# Altium PCB DIOT_8ch_isoSPI1.PcbDoc (part 1 of 5)
Units mm, origin at the board's own origin, x right, y up, seen from the top; angles counter-clockwise.
Board outline 222.37 x 100 mm, 4 copper layers (L1, P2, P3, L4), stack 1.512 mm thick; 416 components, 332 nets, 1541 pads, 695 vias.
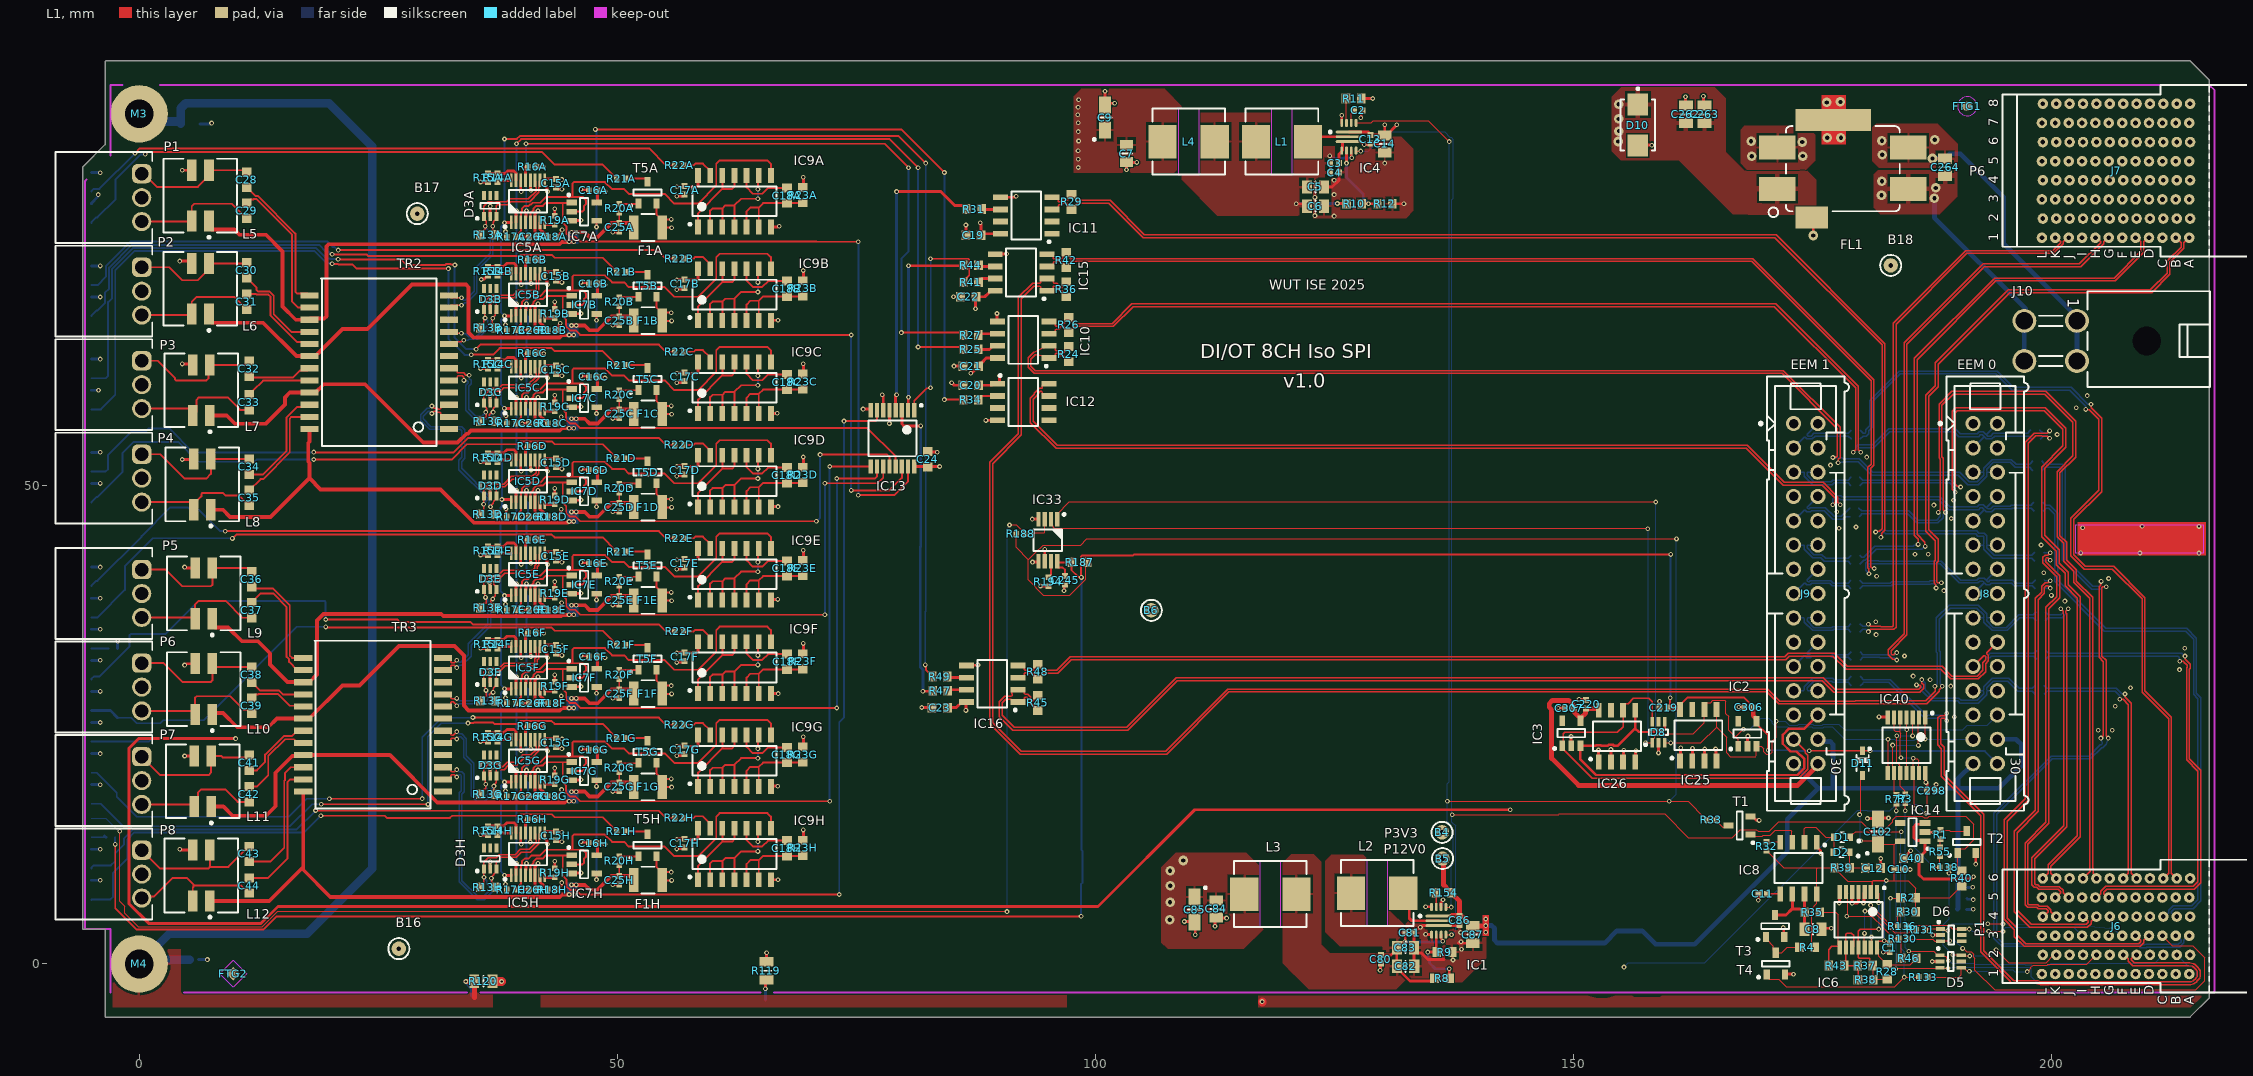
[diagram p0: L1 view]
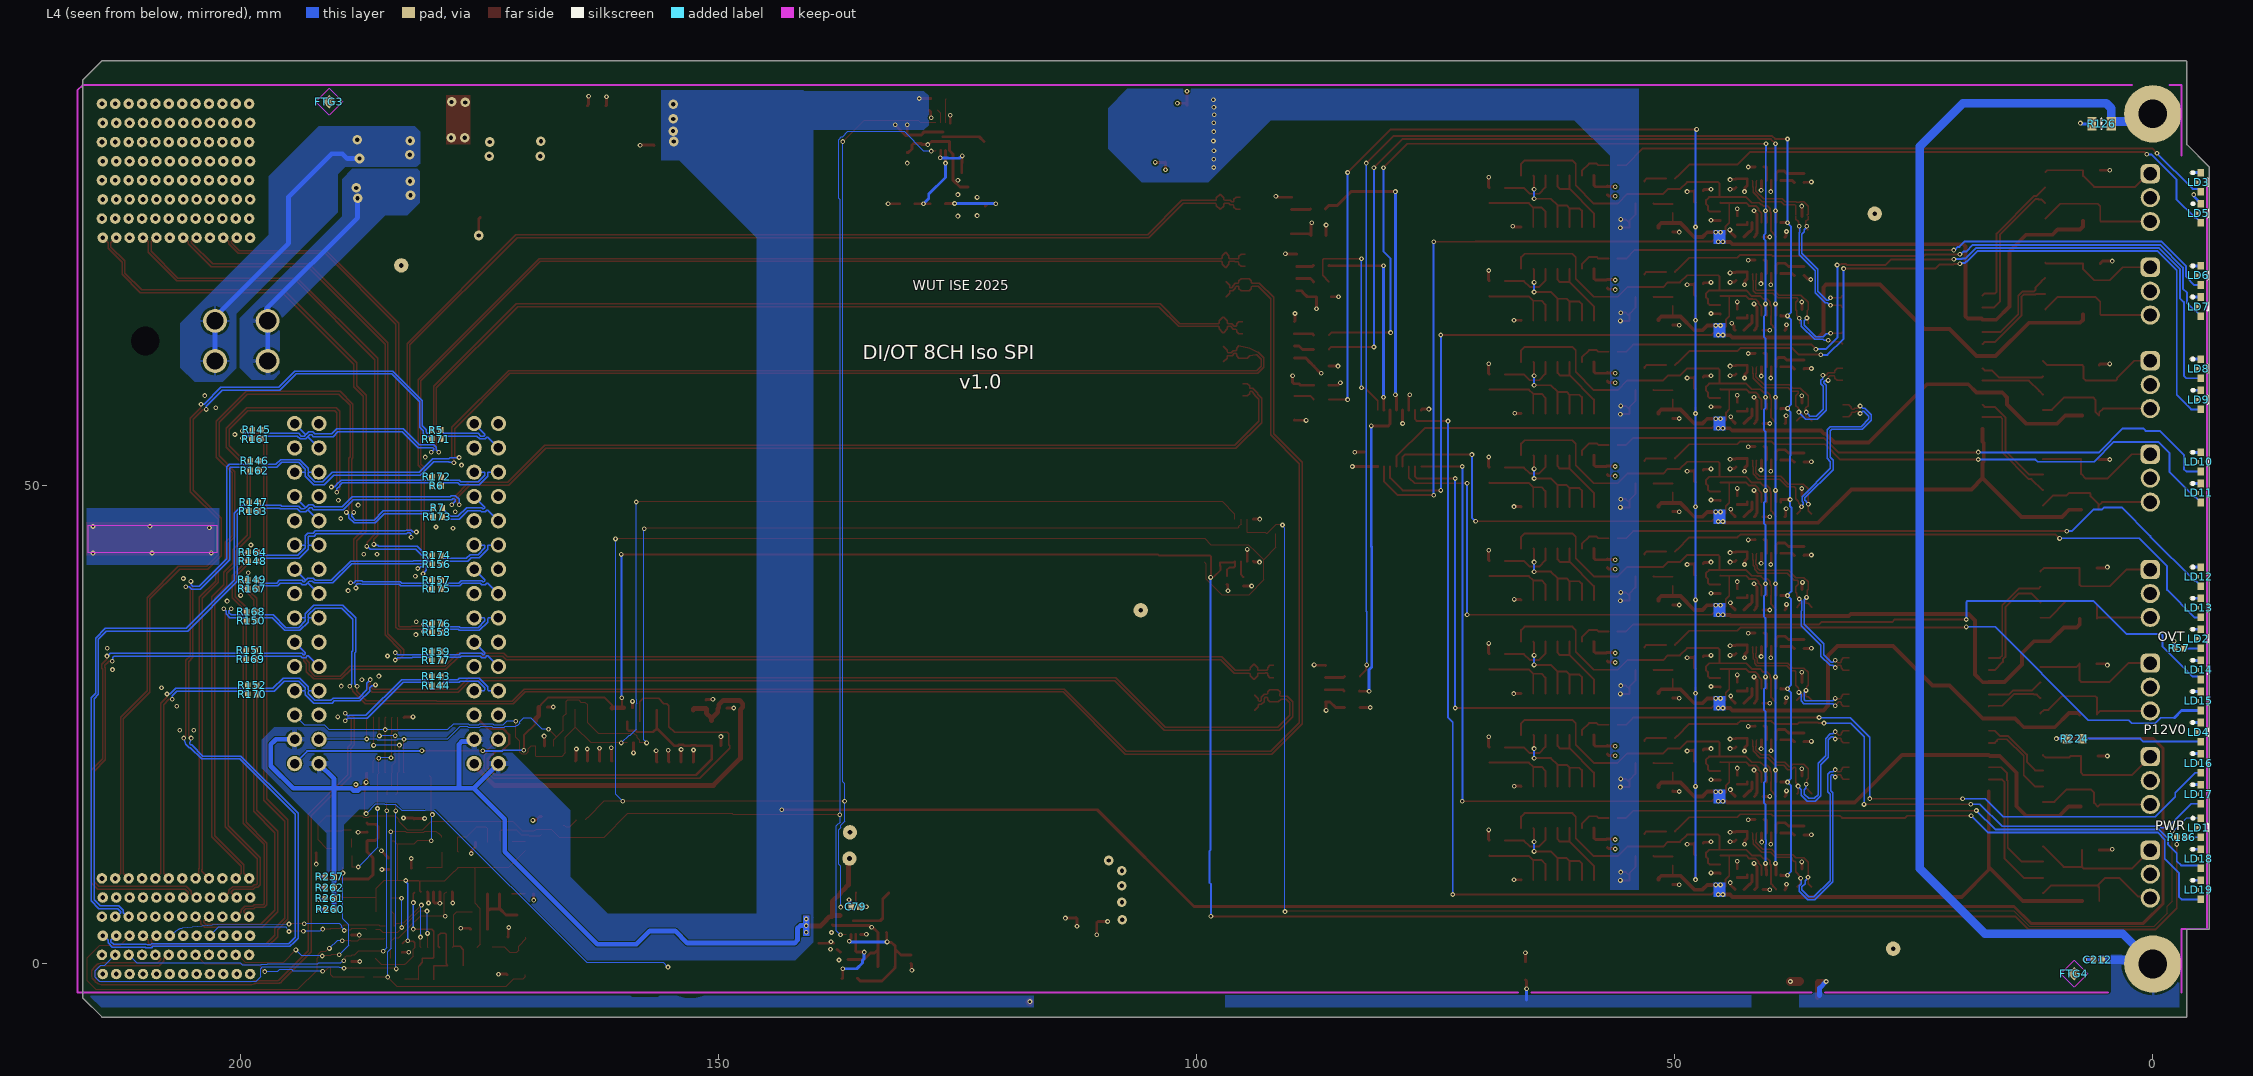
[diagram p1: L4 view, seen from below]
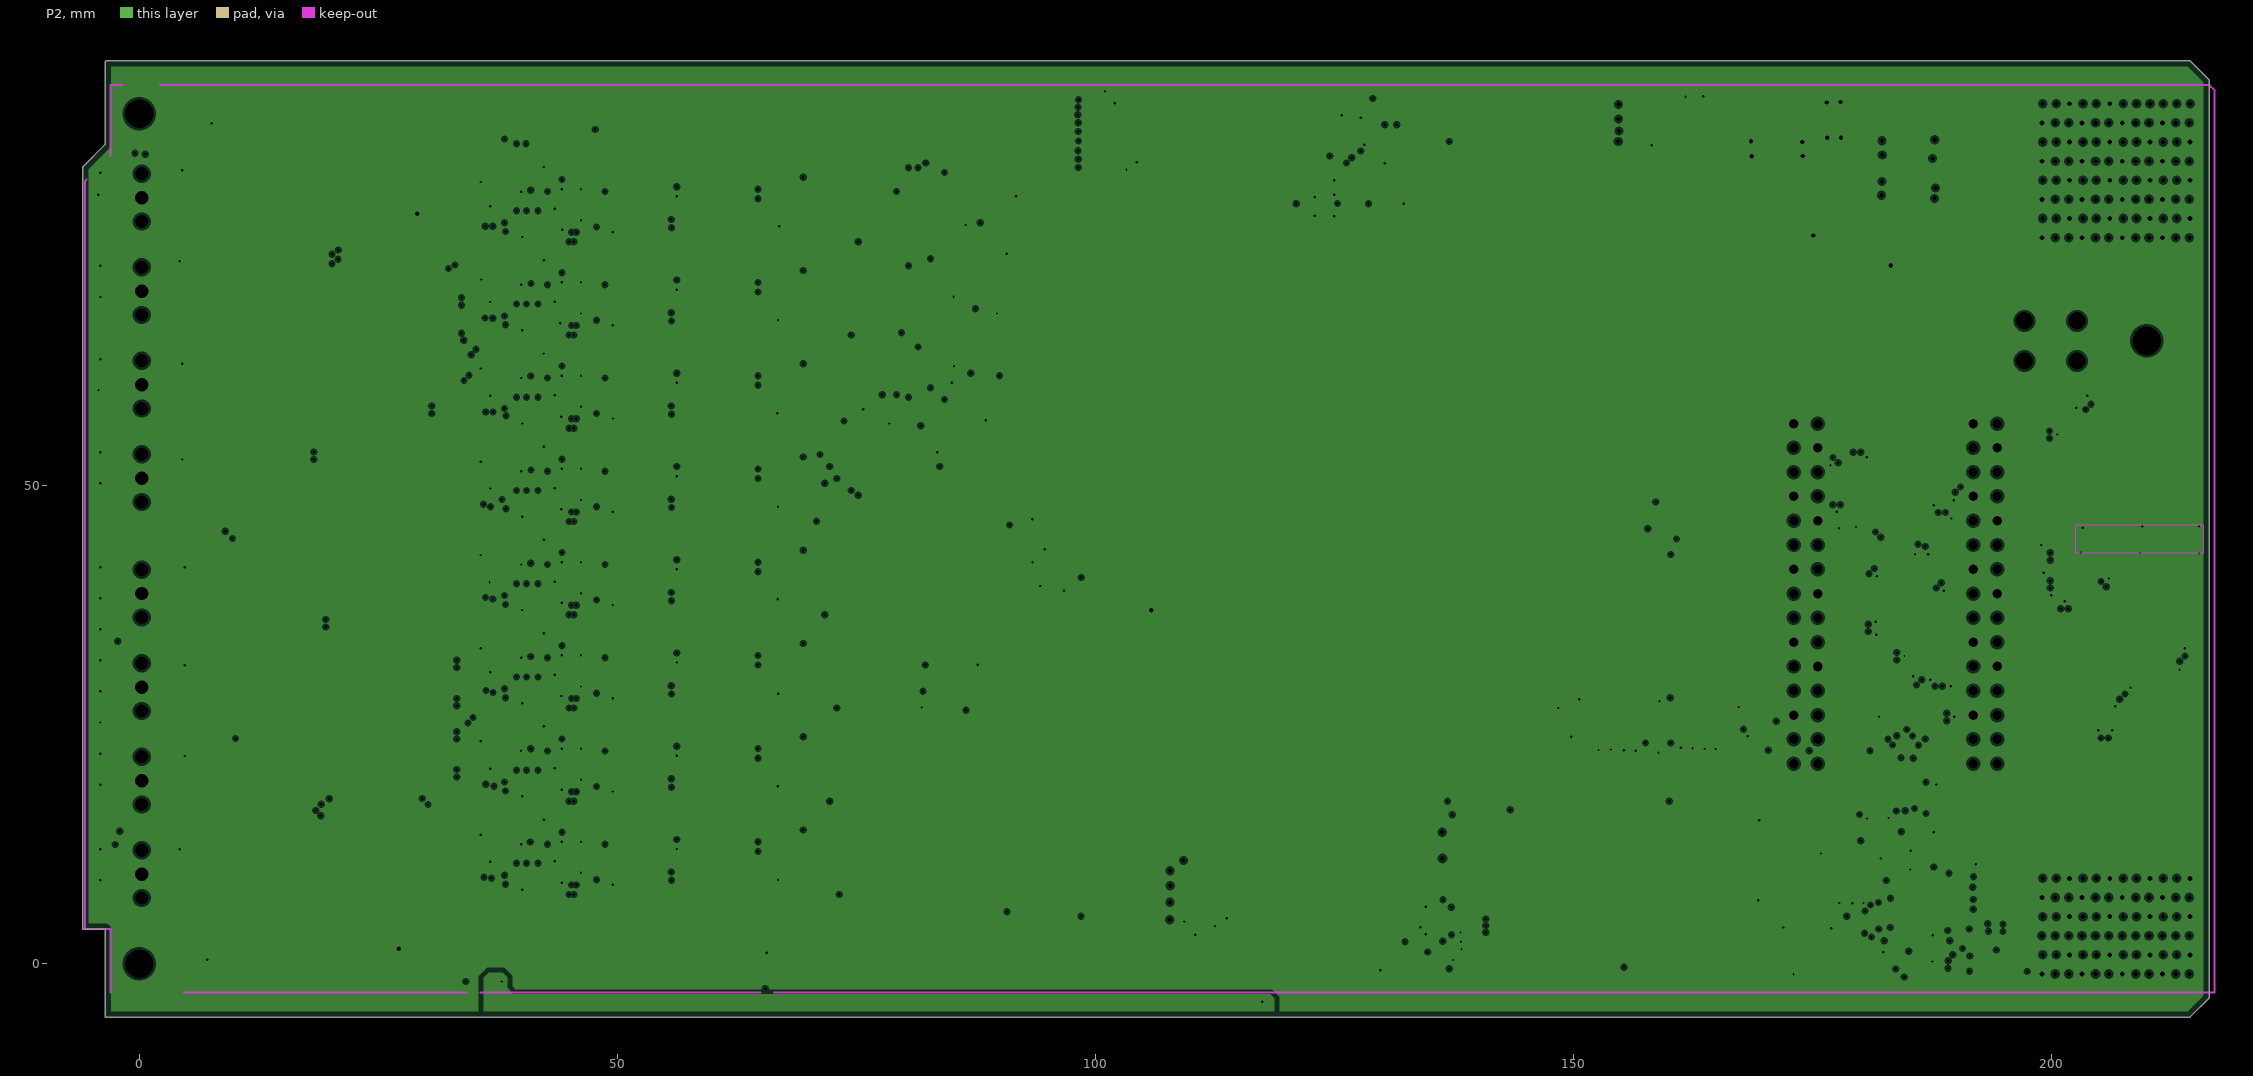
[diagram p2: P2, clearances drawn from the general rule]
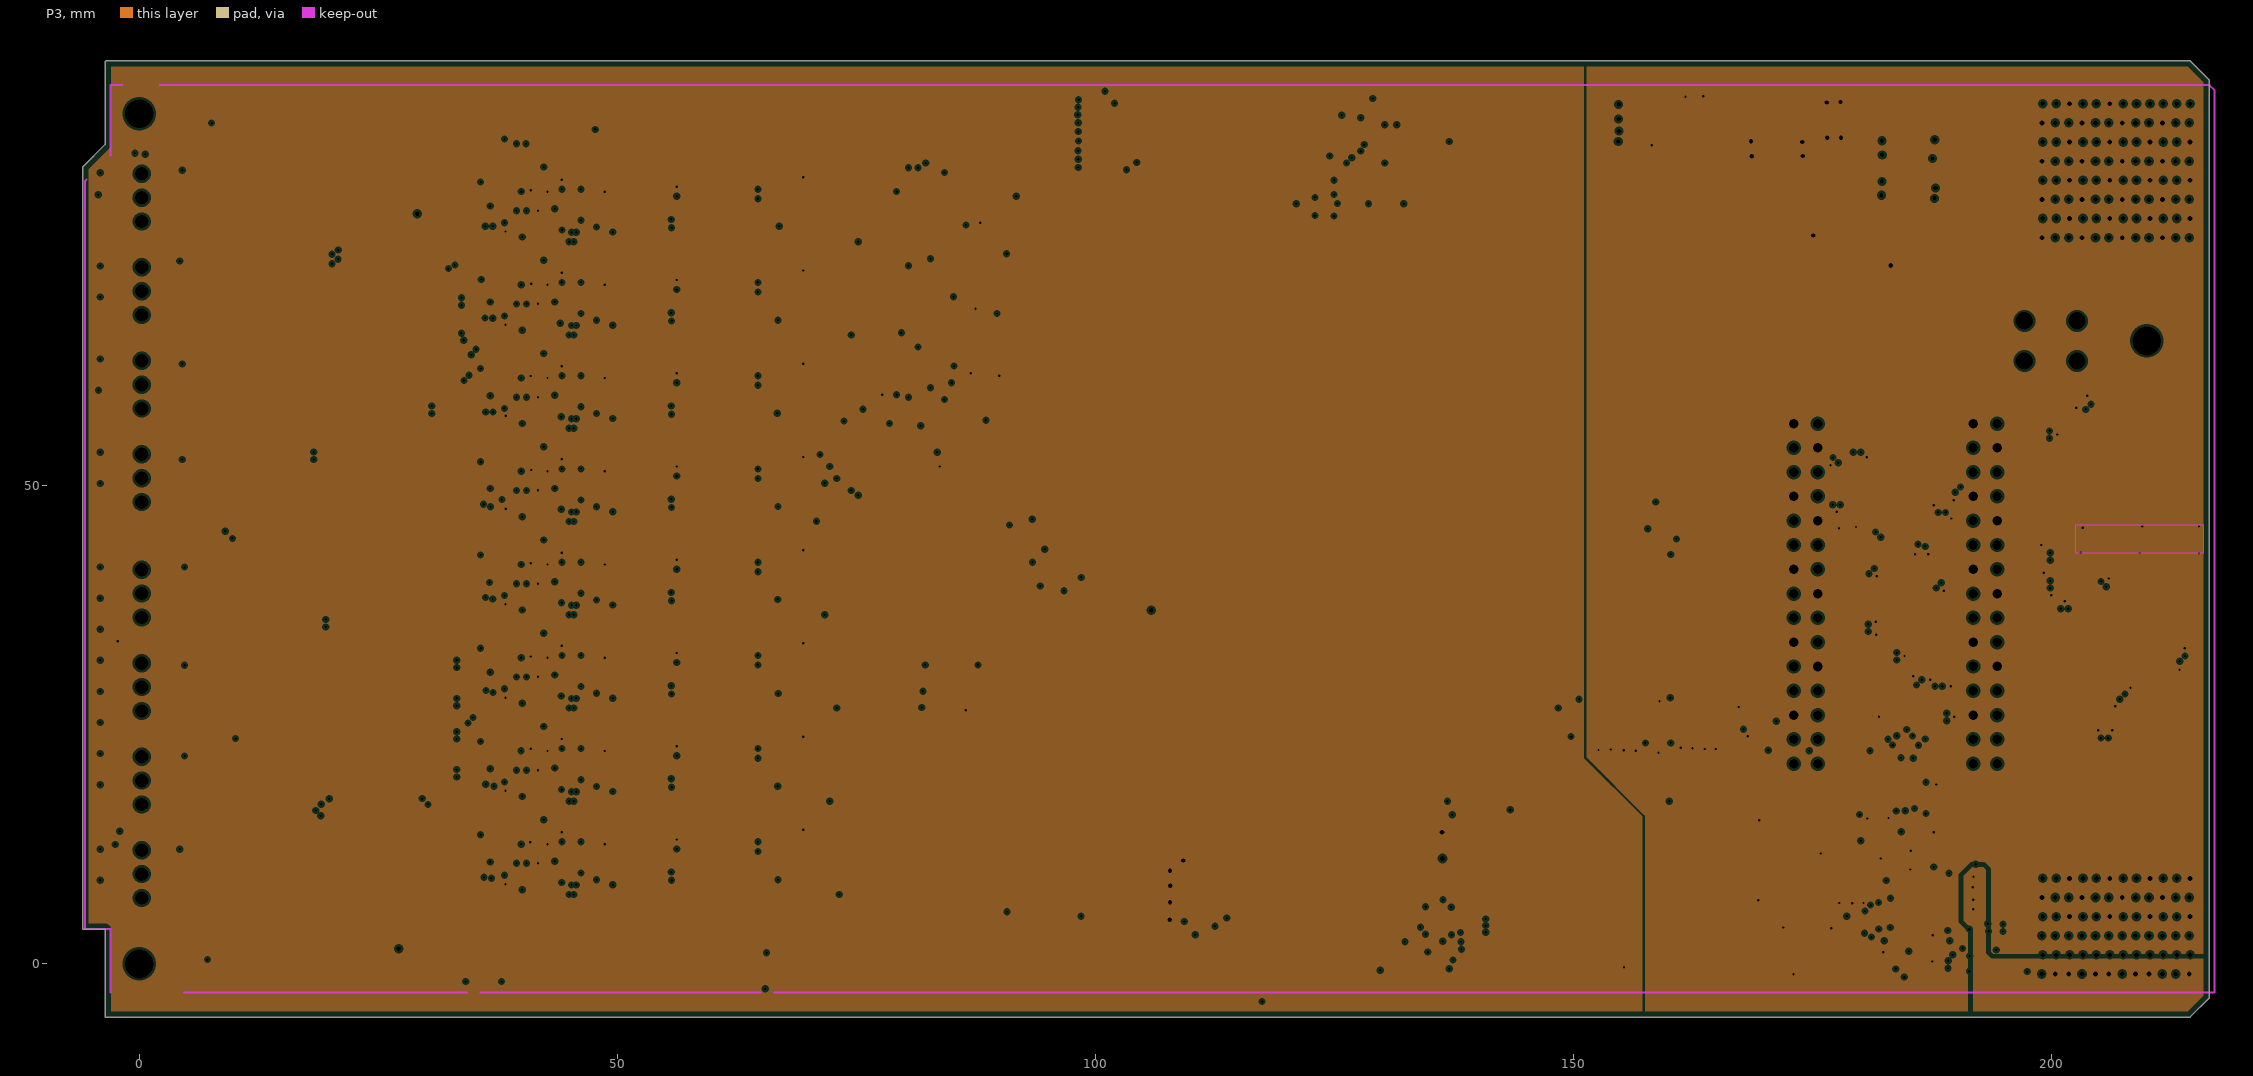
[diagram p3: P3, clearances drawn from the general rule]
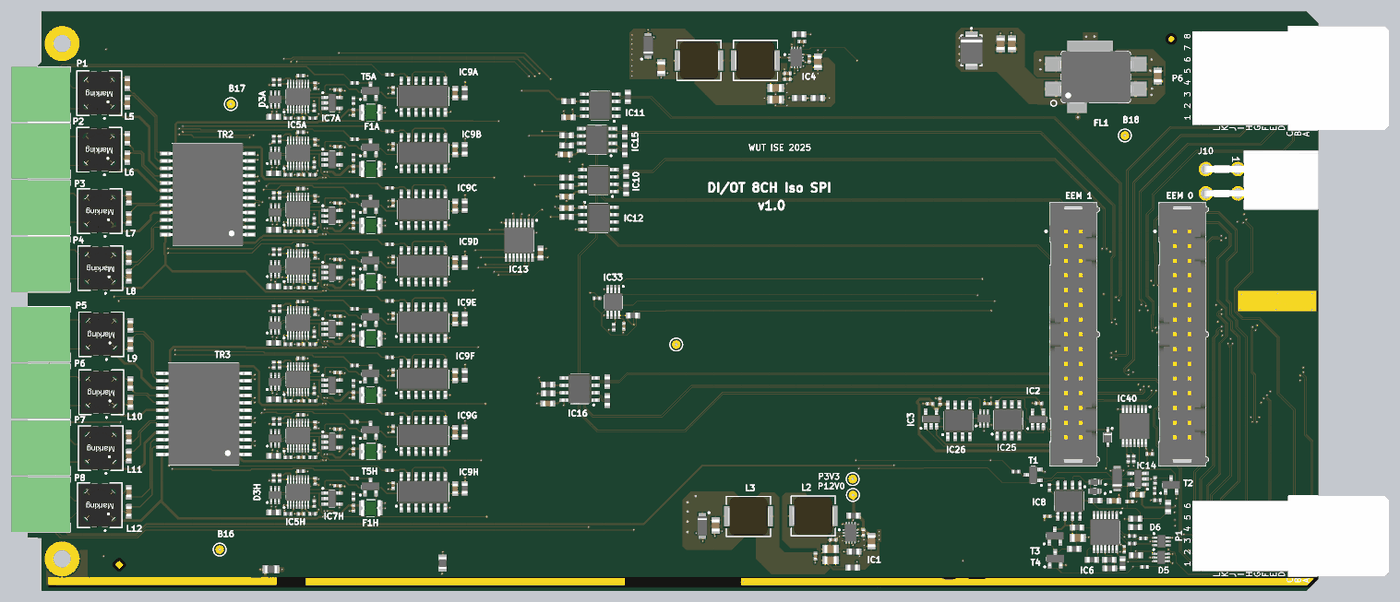
[diagram p8: 3D render of the assembled board from above, using the file's embedded part models]
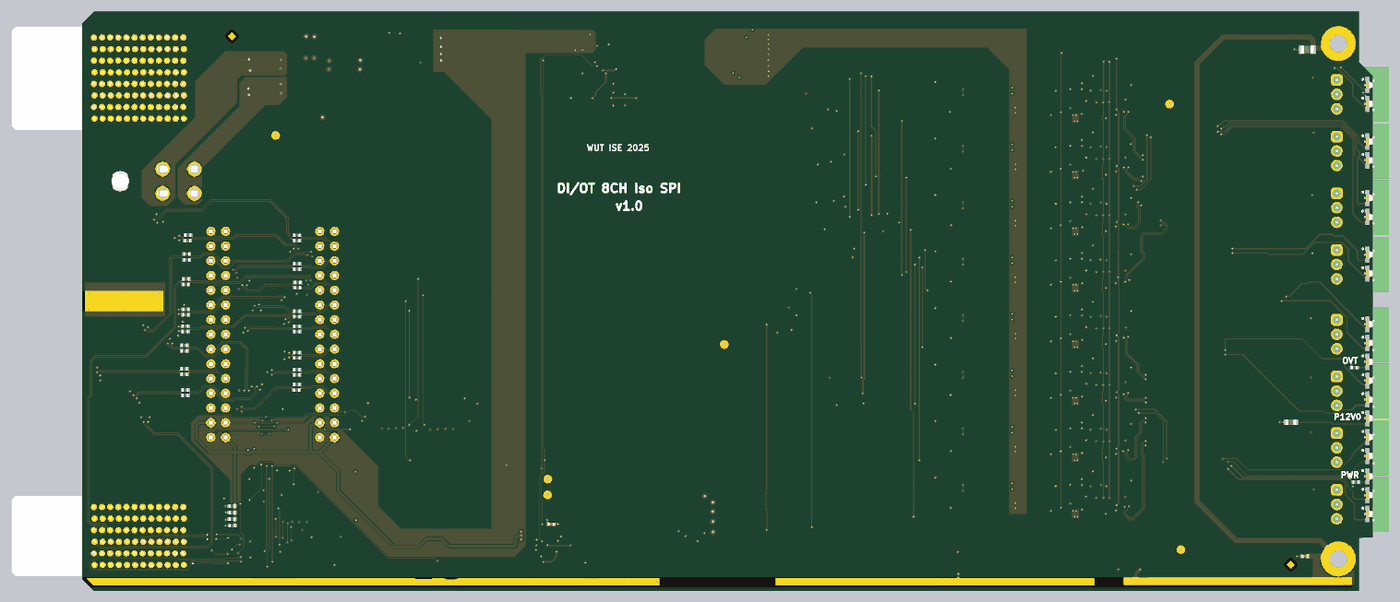
[diagram p9: 3D render of the assembled board from below, using the file's embedded part models]

## Layer stack, top to bottom
TopSolder: solder mask 0.025, Solder Resist, Dk 3.7
L1: signal copper 0.035
Dielectric1: core 0.138, FR-4, Dk 4.3
P2: plane copper 0.018, net (Multiple Nets)
Dielectric3: core 1.13, FR-4, Dk 4.6
P3: plane copper 0.018, net (Multiple Nets)
Dielectric5: core 0.138, FR-4, Dk 4.3
L4: signal copper 0.035
BottomSolder: solder mask 0.025, Solder Resist, Dk 3.7

## Board outline
-3.57,-5.55 -3.57,3.65 -5.9,3.65 -5.9,83.35 -3.57,85.68 -3.57,94.349 -3.469,94.45 214.469,94.45 216.469,92.45 216.469,-3.55 214.469,-5.55

## Design rules (kind name [scope] priority, off if disabled: settings)
AcuteAngle [All] p1: minimum=6.00000000000000E+0001 checktracksonly=FALSE
AssemblyTestPointUsage [All] p1 off:
AssemblyTestpoint [All] p1 off: testpointundercomponent=TRUE minsize=1.016 maxsize=2.54 preferedsize=1.524 minholesize=0 maxholesize=1.016 preferedholesize=0.813 testpointgrid=0.025 usegrid=TRUE gridtolerance=0 allowsidetop=TRUE allowsidebottom=TRUE
BoardOutlineClearance [All] p1: gap=0.4 ignorepadtopadclearanceinfootprint=FALSE
Clearance [All] p1: gap=0.127 ignorepadtopadclearanceinfootprint=TRUE except(0: Arc-Hole Track-Hole SMDPad-Hole THPad-Hole Via-Hole Fill-Hole Region-Hole Text-Hole; 0.15: Via-Fill Via-Poly Via-Region Poly-Hole; 0.2: Arc-THPad Track-THPad SMDPad-THPad THPad-THPad THPad-Via; 0.254: Arc-Text Track-Text SMDPad-Text THPad-Text Via-Text Fill-Text Poly-Text Region-Text Text-Text; 0.275: Via-Via)
ComponentClearance ComponentClearance_overlapping [InComponent('IC18') or InComponent('IC14')   or ((ObjectKind = '3D Body') and(Identifier = '20848587_1')) or InComponent('IC2') or InComponent('IC30')] p1: gap=0 collisioncheckmode=3 verticalgap=0 showdistances=FALSE
ComponentClearance [All] p2: gap=0.2 collisioncheckmode=3 verticalgap=0.2 showdistances=FALSE
DiffPairsRouting [InAnyDifferentialPair] p1: maxlimit=0.16 minlimit=0.16 mostfreqgap=0.16 toplayer_minwidth=0.14 toplayer_maxwidth=0.14 toplayer_prefwidth=0.14 bottomlayer_minwidth=0.14 bottomlayer_maxwidth=0.14 bottomlayer_prefwidth=0.14 impedanceprofiledriven=TRUE impedanceprofileid={A56CCF9F-E5F6-44CF-B4D8-1B3BD42FE987} impedanceprofilevalue=100.000000 maxuncoupledlength=12.7
FabricationTestPointUsage TestPointUsage [All] p1: valid=0 allowmultiple=FALSE
FabricationTestpoint Testpoint [All] p1: side=3 testpointundercomponent=TRUE minsize=1.016 maxsize=2.54 preferedsize=1.524 minholesize=0.508 maxholesize=1.016 preferedholesize=0.813 testpointgrid=0.025 allowsidetop=TRUE allowsidebottom=TRUE usegrid=TRUE gridtolerance=0
Height Height_1 [OnLayer('BottomLayer')] p1: minheight=0 maxheight=2 prefheight=1
Height [All] p2: minheight=0 maxheight=25.4 prefheight=12.7
HoleSize [All] p1: absolutevalues=TRUE maxlimit=3.2 minlimit=0.15 maxpercent=80.000 minpercent=20.000
HoleToHoleClearance [All] p1: gap=0.15 allowstackedmicrovias=TRUE
MatchedLengths MatchedLengths_LVTTL [InNetClass('LVTTL[4..15]')] p1: tolerance=25.4 checknetsindiffpair=FALSE checkdiffpairvsdiffpair=TRUE checkxsignals=TRUE checkothers=TRUE usedelayunits=TRUE delaytolerance=100.000000
MatchedLengths MatchedLengths_LVDS_InPair [InxSignalClass('LVDS')] p2: tolerance=25.4 checknetsindiffpair=TRUE checkdiffpairvsdiffpair=FALSE checkxsignals=FALSE checkothers=FALSE usedelayunits=TRUE delaytolerance=5.000000
MatchedLengths MatchedLengths_LVDS_All [InxSignalClass('xLVDS')] p3: tolerance=25.4 checknetsindiffpair=FALSE checkdiffpairvsdiffpair=TRUE checkxsignals=TRUE checkothers=TRUE usedelayunits=TRUE delaytolerance=25.000000
MatchedLengths MatchedLengths_BP_InPair [InxSignalClass('BP')] p4: tolerance=5 checknetsindiffpair=TRUE checkdiffpairvsdiffpair=FALSE checkxsignals=FALSE checkothers=FALSE usedelayunits=TRUE delaytolerance=5.000000
MatchedLengths MatchedLengths_BP_All [InxSignalClass('BP')] p5: tolerance=25.4 checknetsindiffpair=FALSE checkdiffpairvsdiffpair=TRUE checkxsignals=TRUE checkothers=TRUE usedelayunits=TRUE delaytolerance=25.000000
MinimumSolderMaskSliver [All] p1: minsoldermaskwidth=0.05
ParallelSegment [All] p1 off: limit=5 gap=0.254
PlaneClearance PlaneClearance_Diff [InAnyDifferentialPair] p1: clearance=0.2
PlaneClearance [All] p2: clearance=0.254
PlaneConnect PlaneConnect_1 [HasCompParameterValue('PressFit', 'Yes')] p1: planeconnectstyle=Direct reliefexpansion=0.2 reliefentries=4 reliefconductorwidth=0.254 reliefairgap=0.254
PlaneConnect [All] p2: pad.planeconnectstyle=Relief pad.reliefexpansion=0.2 pad.reliefentries=4 pad.reliefconductorwidth=0.254 pad.reliefairgap=0.254 via.planeconnectstyle=Direct via.reliefexpansion=0.2 via.reliefentries=4 via.reliefconductorwidth=0.254 via.reliefairgap=0.15
PolygonConnect PolygonConnect_1 [InPolygonClass('Direct')] p1: connectstyle=Direct reliefconductorwidth=0.254 reliefentries=2 polygonreliefangle="45 Angle" airgapwidth=0.254
PolygonConnect PolygonConnect_2 [InNetClass('PWR')] p2: thpad.connectstyle=Relief thpad.reliefconductorwidth=0.5 thpad.reliefentries=4 thpad.polygonreliefangle="90 Angle" thpad.airgapwidth=0.254 smdpad.connectstyle=Relief smdpad.reliefconductorwidth=0.5 smdpad.reliefentries=4 smdpad.polygonreliefangle="90 Angle" smdpad.airgapwidth=0.25 via.connectstyle=Direct via.reliefconductorwidth=0.254 via.reliefentries=2 via.polygonreliefangle="90 Angle" via.airgapwidth=0.254
PolygonConnect [All] p3: thpad.connectstyle=Relief thpad.reliefconductorwidth=0.254 thpad.reliefentries=4 thpad.polygonreliefangle="90 Angle" thpad.airgapwidth=0.254 smdpad.connectstyle=Relief smdpad.reliefconductorwidth=0.254 smdpad.reliefentries=4 smdpad.polygonreliefangle="90 Angle" smdpad.airgapwidth=0.254 via.connectstyle=Direct via.reliefconductorwidth=0.254 via.reliefentries=4 via.polygonreliefangle="90 Angle" via.airgapwidth=0.254
ReturnPath [All] p1: impedanceprofileid={766963E9-4C46-4FD0-92C7-72FE31CC1419} _gaplimit=0 _useantipads=TRUE
RoomDefinition U_LVDS_transceivers [InComponentClass('U_LVDS_transceivers')] p1: confinementstyle=ConfineIn formatcopy=TRUE lockcomponents=FALSE outline 23.419,109.751 196.647,109.751 196.647,118.768 23.419,118.768
RoomDefinition U_Iso_SPI_PHY_7 [InComponentClass('U_Iso_SPI_PHY_7')] p2: confinementstyle=ConfineIn formatcopy=TRUE lockcomponents=FALSE outline 34.704,6.77 71.14,6.77 71.14,16.27 34.704,16.27
RoomDefinition U_Iso_SPI_PHY_6 [InComponentClass('U_Iso_SPI_PHY_6')] p3: confinementstyle=ConfineIn formatcopy=TRUE lockcomponents=FALSE outline 34.704,16.52 71.14,16.52 71.14,26.02 34.704,26.02
RoomDefinition U_Iso_SPI_PHY_5 [InComponentClass('U_Iso_SPI_PHY_5')] p4: confinementstyle=ConfineIn formatcopy=TRUE lockcomponents=FALSE outline 34.704,26.27 71.14,26.27 71.14,35.77 34.704,35.77
RoomDefinition U_Iso_SPI_PHY_4 [InComponentClass('U_Iso_SPI_PHY_4')] p5: confinementstyle=ConfineIn formatcopy=TRUE lockcomponents=FALSE outline 34.704,36.02 71.14,36.02 71.14,45.52 34.704,45.52
RoomDefinition U_Iso_SPI_PHY_3 [InComponentClass('U_Iso_SPI_PHY_3')] p6: confinementstyle=ConfineIn formatcopy=TRUE lockcomponents=FALSE outline 34.704,45.77 71.14,45.77 71.14,55.27 34.704,55.27
RoomDefinition U_Iso_SPI_PHY_2 [InComponentClass('U_Iso_SPI_PHY_2')] p7: confinementstyle=ConfineIn formatcopy=TRUE lockcomponents=FALSE outline 34.704,55.52 71.14,55.52 71.14,65.02 34.704,65.02
RoomDefinition U_Iso_SPI_PHY_1 [InComponentClass('U_Iso_SPI_PHY_1')] p8: confinementstyle=ConfineIn formatcopy=TRUE lockcomponents=FALSE outline 34.704,65.27 71.14,65.27 71.14,74.77 34.704,74.77
RoomDefinition U_Iso_SPI_PHY_0 [InComponentClass('U_Iso_SPI_PHY_0')] p9: confinementstyle=ConfineIn formatcopy=TRUE lockcomponents=FALSE outline 34.704,75.02 71.14,75.02 71.14,84.52 34.704,84.52
RoomDefinition DIOT_8ch_isoSPI [InComponentClass('DIOT_8ch_isoSPI')] p10: confinementstyle=ConfineIn formatcopy=TRUE lockcomponents=FALSE outline 9.5,-10.75 83.961,-10.75 83.961,-23.405 9.5,-23.405
RoomDefinition Overlapping [InComponentClass('Overlapping')] p11: confinementstyle=ConfineIn formatcopy=TRUE lockcomponents=FALSE outline 194.31,-3.302 229.489,-3.302 229.489,11.684 194.31,11.684
RoomDefinition U_PWR_Supply [InComponentClass('U_PWR_Supply')] p12: confinementstyle=ConfineIn formatcopy=TRUE lockcomponents=FALSE outline 101.117,-6.782 147.041,-6.782 147.041,18.136 101.117,18.136
RoutingLayers RoutingLayers_1 [InAnyDifferentialPair] p1 off: top layer_v5=TRUE bottom layer_v5=TRUE
RoutingLayers RoutingLayers_2 [InNetClass('50Ohm')] p2: top layer_v5=TRUE bottom layer_v5=TRUE
RoutingLayers [All] p3: top layer_v5=TRUE bottom layer_v5=TRUE
RoutingTopology RoutingTopology_DDRAddressAndControls [InNetClass('DDR_AddressAndControls')] p1: topology=Daisy_Simple
RoutingTopology RoutingTopology_DDRAddressAndControls_1 [InNetClass('DDR_AddressAndControls_1')] p2: topology=Daisy_Simple
RoutingTopology [All] p3: topology=Shortest
RoutingVias [All] p1: holewidth=0.25 width=0.5 viastyle="Through Hole" minholewidth=0.25 minwidth=0.5 maxholewidth=0.45 maxwidth=1 viatemplateguid#1={8CC95450-9C4C-4A66-BFBB-022CCA0C80F0} viatemplateguid#2={7BA2FAF8-F5E9-4BF3-9BD8-21DB5C2C29C0} viatemplatename#1=v50h20 viatemplatename#2=v80h50
SMDEntry [All] p1 off: side=TRUE corner=TRUE anyangle=FALSE
SilkToSilkClearance [All] p1: silktosilkclearance=0.1
SilkToSolderMaskClearance SilkscreenOverComponentPads [IsPad] p1: minsilkscreentomaskgap=0.125 clearancetoexposedcopper=FALSE
SolderMaskExpansion SolderMaskExpansion_1 [IsVia] p1: expansion=0.05 istentingtop=TRUE
SolderMaskExpansion [All] p2: expansion=0.05 istentingtop=FALSE
StubLength [All] p1: limit=3
SupplyNets "Schematic Supply Nets_8" [InNet('P5V0')] p1: voltage=0.000
SupplyNets "Schematic Supply Nets_7" [InNet('GND')] p2: voltage=0.000
SupplyNets "Schematic Supply Nets_6" [InNet('P3V3_MP2')] p3: voltage=0.000
SupplyNets "Schematic Supply Nets_5" [InNet('P3V3_DIOT')] p4: voltage=0.000
SupplyNets "Schematic Supply Nets_4" [InNet('P12V0_DIOT')] p5: voltage=0.000
SupplyNets "Schematic Supply Nets_3" [InNet('P3V3_MP')] p6: voltage=0.000
SupplyNets "Schematic Supply Nets_2" [InNet('STRIP1')] p7: voltage=0.000
SupplyNets "Schematic Supply Nets_1" [InNet('P12V0')] p8: voltage=0.000
SupplyNets "Schematic Supply Nets" [InNet('P3V3')] p9: voltage=0.000
UnConnectedPin [All] p1 off:
UnRoutedNet UnRoutedNet_1 [Not (InNet('STRIP1') or InNet('FMC_VIO_B_M2C'))] p1:
UnpouredPolygon UnpouredPolygon_1 [InPolygonClass('Copper_Balancing')] p1: allowunpoured=TRUE
UnpouredPolygon [All] p2:
ViasUnderSMD ViasUnderSMD_1 [InPadClass('ViaInPad')     or InComponent('IC21')] p1: allowed=TRUE
ViasUnderSMD [All] p2: allowed=FALSE
Width Width_pwr [InNetClass('PWR')] p1: maxlimit=2 minlimit=0.3 preferedwidth=0.3 minimp=50.000000 maximp=50.000000 favimp=50.000000
Width Width_50Ohm [InNetClass('SE50')] p2: maxlimit=0.23 minlimit=0.23 preferedwidth=0.23 impedanceprofiledriven=TRUE impedanceprofileid={817017FA-2CA9-4D33-80A1-67892E8A955B} impedanceprofilevalue=50.000000 minimp=50.000000 maximp=50.000000 favimp=50.000000
Width [All] p3: maxlimit=2 minlimit=0.125 preferedwidth=0.125 minimp=50.000000 maximp=50.000000 favimp=50.000000
12 further rules are at their usual default settings.
